# KiCad board plinkyblack.kicad_pcb (continued)
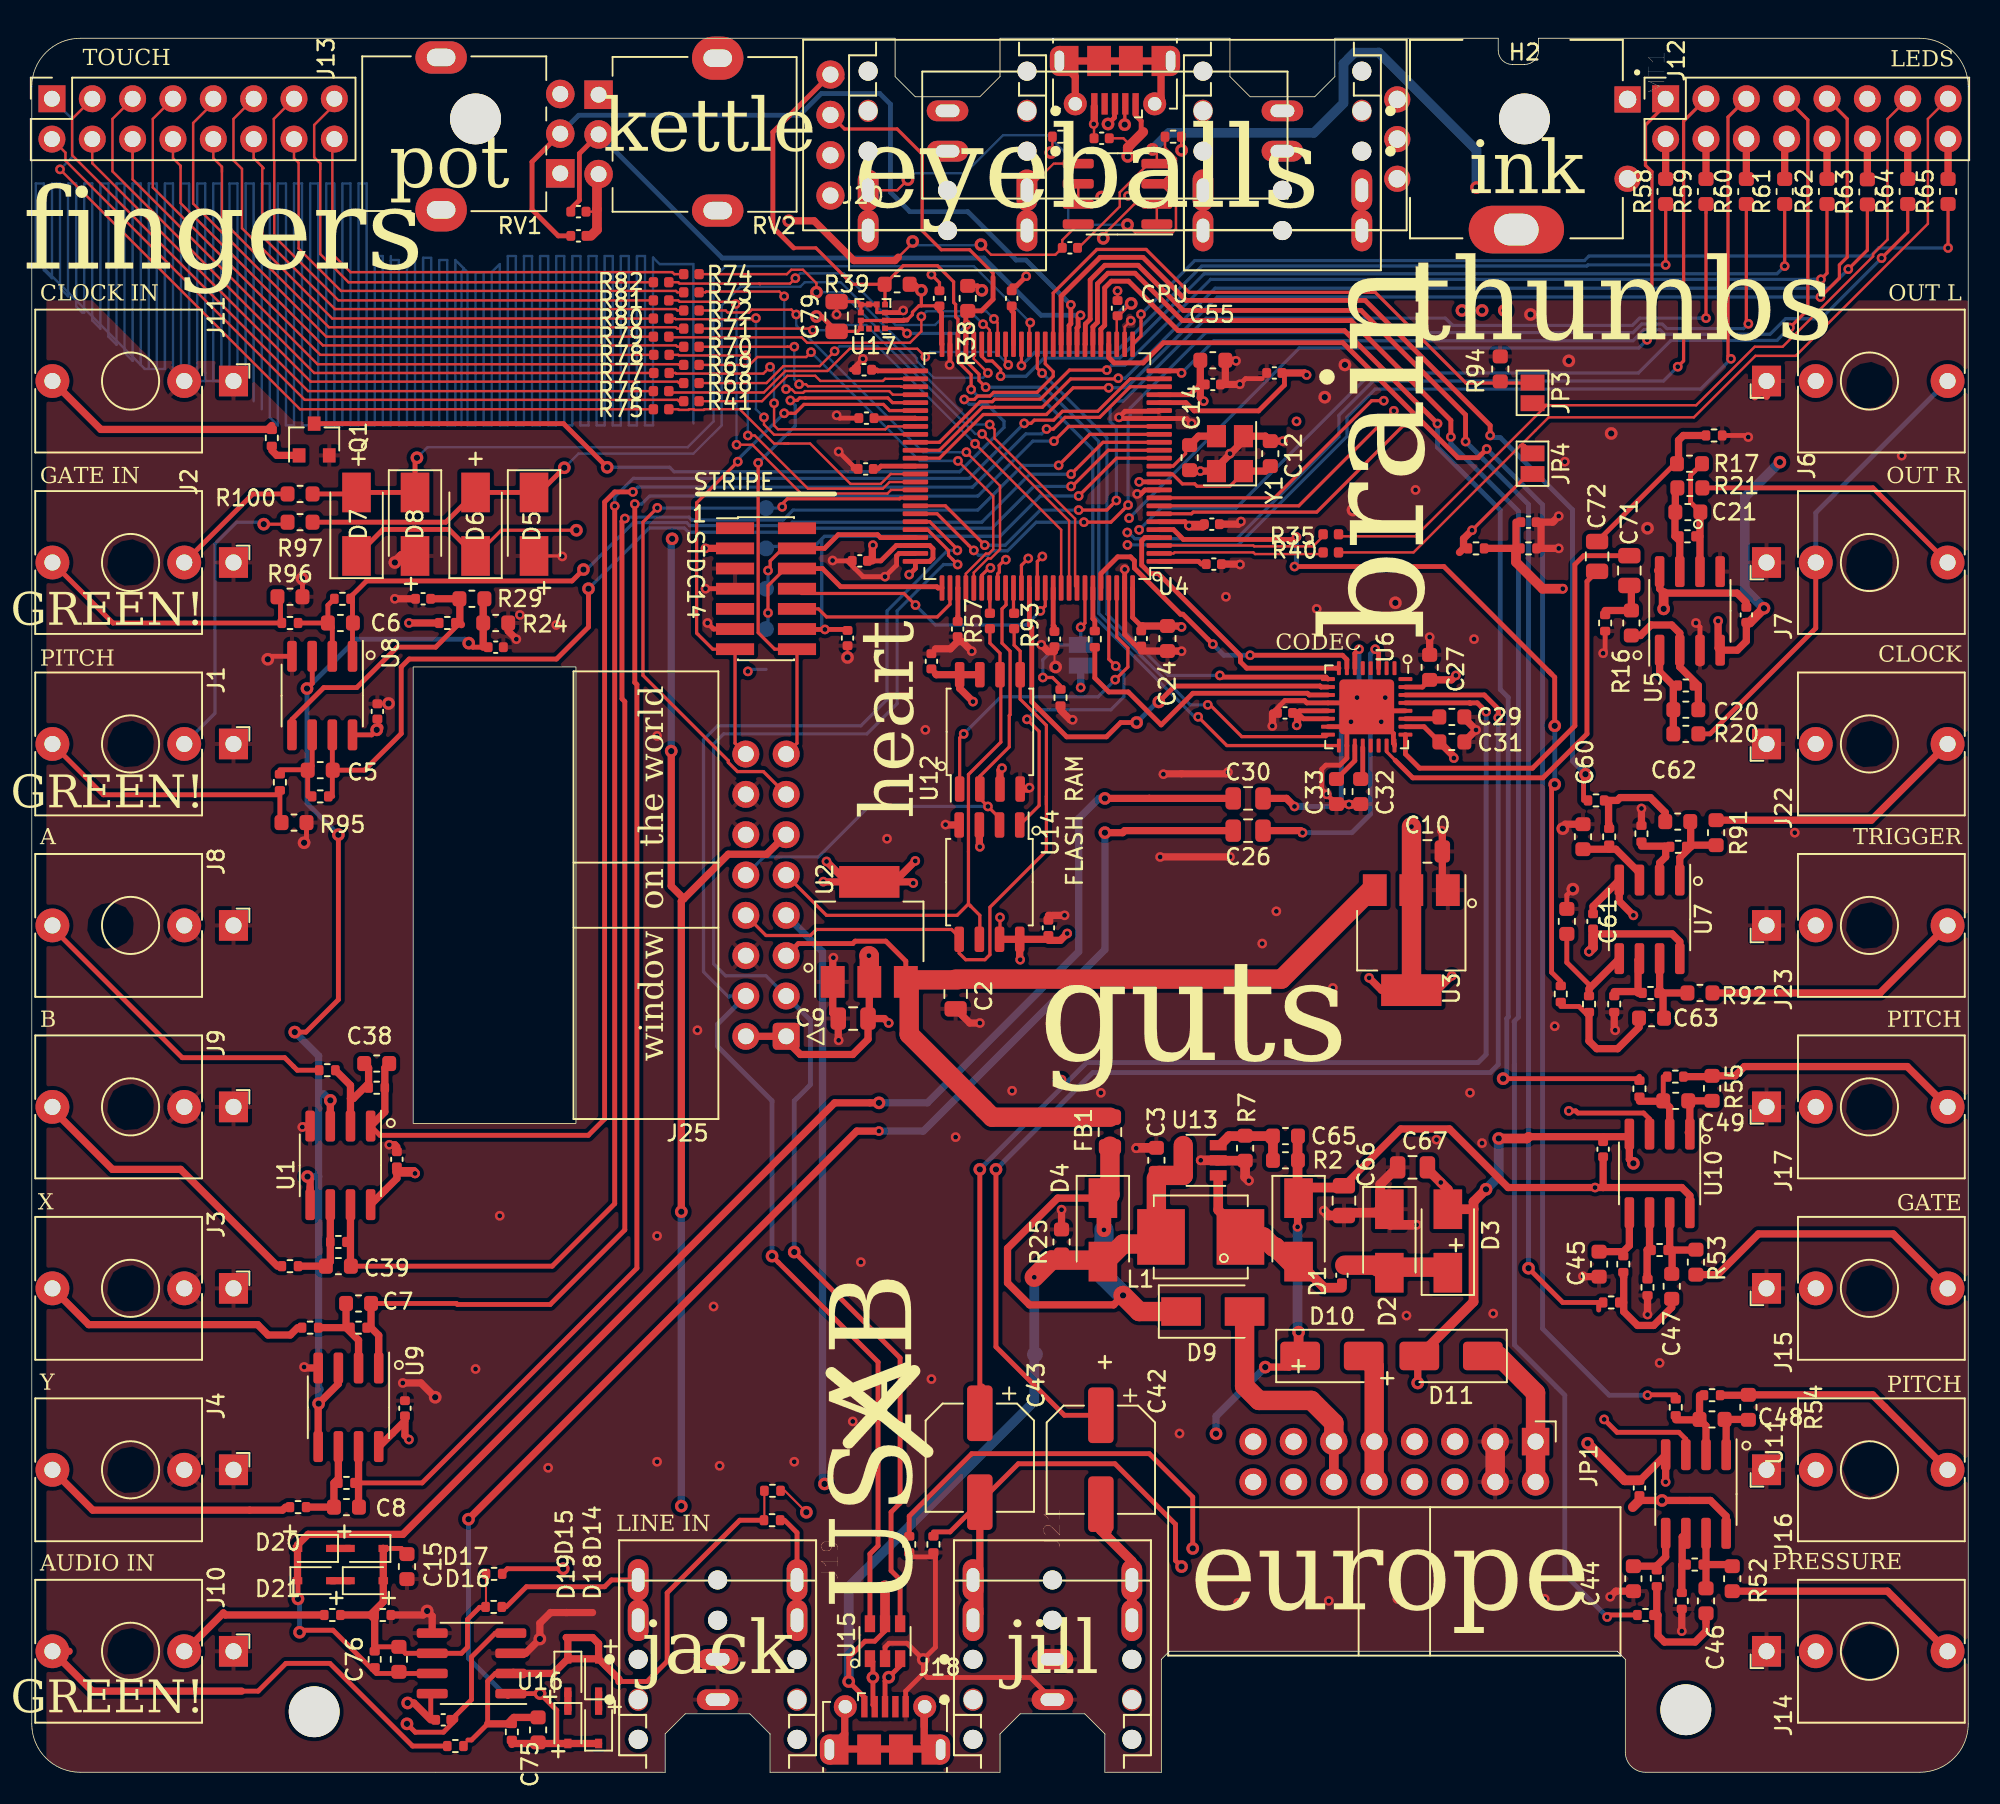
[diagram p0: board, top side]
## Routing (per net, layer and track width the routed paths; a pad name or vN(x,y) marks a point on that pad's centre or on a via; arc(x,y) is an arc through that point) (continued)
  Bottom w0.152: v1(45.09,84.2) 45.09,89.13 v1(44.96,89.26)
T13: length 23.9
  Top w0.152: v1(56.01,91.69) 56.01,90.75 55.29,90.04 48.82,90.04 48.47,90.38 40.15,90.38 R79.2 ; v1(60.58,91.54) 60.81,91.31 U4.43
  Bottom w0.152: v1(60.58,91.54) 60.1,92.02 56.33,92.02 v1(56.01,91.69)
T14: length 22.2
  Top w0.152: U4.59 47.65,84.27 47.63,84.25 46.73,84.25 46.1,84.89 v1(46.1,85.34) ; R80.2 40.5,91.57 40.54,91.53 45.53,91.53 v1(45.59,91.59)
  Bottom w0.152: v1(45.59,91.59) 45.59,85.85 v1(46.1,85.34)
T15: length 25.9
  Top w0.152: v1(44.37,83.62) 45.37,83.62 48.44,80.54 53.87,80.54 54.1,80.77 U4.66 ; R81.2 40.7,92.71 40.79,92.62 44.18,92.62 v1(44.32,92.48) 44.37,92.43 44.37,92.38 44.32,92.33
  Bottom w0.152: 44.32,92.33 44.37,92.28 v1(44.37,83.62)
T16: length 23.4
  Top w0.152: 45.81,93.77 47.74,93.77 v1(48.08,94.11) ; 45.81,93.77 40.79,93.77 40.7,93.85 R82.2 ; 45.81,93.77 45.85,93.73 ; U4.44 60.31,90.85 59.95,91.21 v1(59.89,91.21)
  Bottom w0.152: v1(48.08,94.11) 48.38,94.41 51.13,94.41 54.38,91.16 56.87,91.16 57.42,91.71 59.39,91.71 v1(59.89,91.21)
TS1: length 10.5
  Top w0.152: U4.2 71.88,76.77 71.95,76.84 76.91,76.84 77.02,76.73 81.43,76.73
TS1_: length 55.1
  Top w0.152: R40.1 87,76.84 95.5,85.34 104.65,85.34 108.52,89.22 111.06,89.22 119.38,97.54 119.38,104.14 J12.15
  Top w0.203: 94.49,83.06 93.98,83.57 93.73,83.57
TS2: length 10.6
  Top w0.152: 81.3,77.85 80.67,77.22 76.96,77.22 76.91,77.27 U4.3
TS2_: length 52.7
  Top w0.152: J12.13 116.84,104.14 116.84,96.54 115.93,95.63 115.93,95.48 110.24,89.79 108.48,89.79 104.79,86.11 95.38,86.11 87.12,77.85 82.27,77.85
  Top w0.203: 95.38,86.11 94.62,86.11 JP3.2
TX: length 33.9
  Top w0.203: 47.92,70.48 J5.14 ; J5.14 46.77,70.74 45.74,71.78 v1(45.74,82.47) ; J5.14 48.18,64.81 J25.15 ; U4.55 54.19,86.27 53.9,86.56 48.71,86.56 48.35,86.56 48.19,86.41 v1(47.76,86.41)
  Bottom w0.203: v1(47.76,86.41) 48.06,86.1 48.06,84.8 v1(45.74,82.47)
VREF: length 131.6
  Top w0.203: 94.74,81.52 93.97,81.52 v1(90.68,78.23)
  Top w0.305: 79.02,88.14 78.87,87.99 78.87,87.38 77.24,85.75 73.18,85.75 72.66,86.27 U4.21
  Top w0.457: v1(90.68,78.23) 90.14,77.7 90.14,77.09 89.89,76.84 ; v1(80.26,88.01) 80.14,88.14 79.02,88.14 ; v1(23.75,72.39) 25.37,72.39
  In1.Cu w0.457: v1(69.02,99.3) 69.02,99.25 v1(80.26,88.01)
  In2.Cu w0.457: v1(69.02,99.3) 64.94,103.38 56.01,103.38 53.66,105.73 52.25,105.73 52.19,105.66 RV2.1
  In2.Cu w0.61: v1(80.26,88.01) 81.41,88.01 90.68,78.74 v1(90.68,78.23) ; v1(23.75,72.39) 29.46,78.11 29.46,96.27 ; 29.46,96.27 29.47,96.26 ; 29.46,96.27 29.46,96.9 RV1.1 31.37,102.62 31.37,106.68 32.51,107.82 34.42,107.82 35.69,106.55 RV2.1
VREF1: length 80.2
  Top w0.203: 28.5,71.3 28.5,73.97
  Top w0.305: U8.3 17.66,70.29 17.66,68.59 v2(17.33,68.26) ; 28.42,70.87 27.76,70.87 v2(27.51,71.12) ; v2(19.3,59.06) 19.3,48.66 17.26,46.62 v2(16.56,46.62)
  Top w0.457: U9.5 18.03,23.19 v2(18.06,23.22) 19.3,24.46 U9.3 ; U1.3 v2(18.8,42.32) ; 17.53,36.83 U1.5 17.53,37.35 v2(17.36,37.52) ; 28.42,70.87 28.42,73.84 R29.1
  Bottom w0.305: v2(27.51,71.12) 27.26,71.37 20.44,71.37 v2(17.33,68.26) 17.33,61.03 v2(19.3,59.06)
  Bottom w0.457: 18.06,24.12 18.06,37.52 ; 18.06,24.12 18.16,24.12 ; 18.06,24.12 v2(18.06,23.22) ; 18.06,37.52 v2(17.36,37.52) ; 18.06,37.52 18.06,42.72 ; 18.06,42.72 18.06,45.12 v2(16.56,46.62) ; 18.06,42.72 18.4,42.72 v2(18.8,42.32)
VREF125: length 17.2
  Top w0.305: 16.38,65.34 16.38,66.32 18.38,68.32 20.46,68.32 23.01,70.87 25.43,70.87 26.95,72.39
  Top w0.457: 25.43,73.91 R29.2 26.95,73.89 26.95,72.39 27.05,72.29
VREF_125_OUT: length 75.1
  Top w0.305: v1(99,22.23) 99.81,21.41 103.7,21.41 104.14,20.98 U11.3 ; U10.3 101.85,41.15 101.48,41.52 97.34,41.52 97.21,41.66 v1(96.77,41.66)
  Top w0.457: 93.45,78.74 93.45,77.09 91.72,77.09
  Top w0.61: v1(96.39,74.55) 95.12,74.55 93.45,76.23 93.45,77.09
  In2.Cu w0.457: v1(99,22.23) 96.77,24.45 v1(96.77,41.66)
  In2.Cu w0.61: v1(96.39,74.55) 96.77,74.17 96.77,60.45 97.25,59.98 97.25,57.12 96.17,56.04 96.17,51.91 96.77,51.31 v1(96.77,41.66)
Net-(C20-Pad1): length 5.6
  Top w0.457: R20.2 103.35,68.45 102.49,69.32 U5.1
Net-(C21-Pad1): length 5.5
  Top w0.457: U5.7 103.76,77.55 103.45,77.85 103.45,79.35 C21.1 103.48,80.77 R21.2
Net-(C42-Pad2): length 198.8
  Top w0.305: 67.31,16.76 67.2,16.65 ; 55.24,15.14 55.24,16.13 59.18,20.07 70.36,20.07 73.09,17.33 v2(73.09,14.1) ; 67.63,14.92 67.84,15.14 ; J21.2 J21.2
  Top w0.61: C42.2 67.31,15.24 69.26,13.29 J21.2
  In2.Cu w0.305: J27.2 73.74,98.99 78.22,94.51 95.87,94.51 110.96,79.42 113.05,79.42 116.46,76.01 116.46,17.53 113.03,14.1 v2(73.09,14.1) 72.11,14.1 69.26,11.25 J21.2
Net-(C43-Pad2): length 184.4
  Top w0.305: C43.2 62.11,19.43 68.2,19.43 72.01,15.62 72.01,13.34 v2(72.39,12.95) ; C43.2 57.82,15.14 56.77,15.14 ; C43.2 59.69,15.26 ; J21.3 J21.3
  Top w0.457: J21.3 59.69,10 C43.2
  In1.Cu w0.61: J27.3 J27.3
  In2.Cu w0.305: v2(72.39,12.95) 113.03,12.95 117.09,17.02 117.09,76 113.18,79.92 111.11,79.92 95.91,95.12 88.27,95.12 J27.3
Net-(C46-Pad1): length 7.4
  Top w0.457: 102.31,11.43 102.31,9.98 102.39,9.91 102.39,8.61 102.79,8.2 104.72,8.2 105.41,8.89 C46.1
Net-(C46-Pad2): length 5.1
  Top w0.457: 105.49,13.08 105.41,13 C46.2 ; 105.49,13.08 106.96,13.08 R52.2 ; 105.49,13.08 105.41,13.16 U11.7
Net-(C47-Pad1): length 6.6
  Top w0.457: 100.2,31.22 100.23,31.19 100.23,29.02 101.1,28.14 102.11,28.14 103.25,29.28 C47.1
Net-(C47-Pad2): length 5.4
  Top w0.457: U10.7 103.12,33.05 103.28,32.89 ; R53.2 104.75,32.89 103.28,32.89 ; C47.2 103.28,31.42 103.28,32.89
Net-(C48-Pad1): length 3.8
  Top w0.457: R54.2 108.05,22.23 C48.1 106.68,22.12 U11.1
Net-(C49-Pad1): length 3.8
  Top w0.457: R55.2 C49.1 104.39,42.19 U10.1 104.29,40.3
Net-(C62-Pad1): length 6.1
  Top w0.457: C62.1 102.84,60.46 101.91,61.39 100,61.39 99.82,61.21 99.28,61.21 99.28,59.75 99.31,59.72
Net-(C62-Pad2): length 5.6
  Top w0.457: R91.2 104.55,58.39 104.45,58.29 ; 104.45,58.29 104.45,59.85 C62.2 ; 104.45,58.29 103.76,57.61 U7.1
Net-(C63-Pad1): length 8.1
  Top w0.305: 98.04,47.6 97.41,48.23 96.27,48.23
  Top w0.457: 98.04,47.6 98.04,46.06 98.53,45.58 99.85,45.58 101.19,46.92 C63.1
Net-(C63-Pad2): length 5.4
  Top w0.457: C63.2 102.71,47.56 102.71,49.09 ; 102.71,49.09 R92.2 ; 102.71,49.09 102.49,49.3 U7.7
Net-(C71-Pad1): length 3.3
  Top w0.457: 99.06,73.18 R16.2 100.71,74.63 C71.1
Net-(C72-Pad1): length 10.2
  Top w0.305: C72.1 103.46,82.42 103.58,82.42
  Top w0.457: 103.58,82.42 103.68,82.52 103.68,83.9 103.98,84.2 105.13,84.2
Net-(D1-A): length 11.5
  Top w0.61: 79.88,32 81.37,30.52 82.49,30.52 ; U13.1 74.7,35.41 76.14,33.97
  Top w1.219: L1.2 77.54,33.72 78.17,33.08 78.3,33.08 79.44,31.94
Net-(D2-A): length 7
  Top w0.61: 84.77,31.81 84.65,31.94
  Top w1.219: 84.77,31.81 88.84,31.81 89.22,31.43 ; 82.67,31.94 84.9,31.94
Net-(D4-K): length 32
  Top w0.457: D4.1 64.59,36.16 61.43,33 61.43,30.82 62.81,29.44 68.11,29.44 v2(68.71,30.04)
  Top w0.914: v1(67.5,34.16) 67.5,36.01
  Top w1.219: v2(68.71,30.04) 69.72,29.02 D9.1 ; 67.5,36.01 67.88,36.39 67.88,39.43
  Bottom w0.61: 69.03,30.04 v2(68.71,30.04)
  Bottom w1.219: v1(67.5,34.16) 67.5,31.24 v2(68.71,30.04)
Net-(D9-A): length 15
  Top w0.61: JP1.12 JP1.11
  Top w1.219: JP1.11 81.98,22 80.56,23.42 77.26,23.42 76.36,24.32 D9.2
Net-(D10-A): length 8.8
  Top w1.219: JP1.10 84.52,25.56 D10.2
  Bottom w0.61: 84.52,21.4 JP1.9
Net-(D11-K): length 9.9
  Top w1.219: D11.1 92.36,26.22 94.68,23.9 JP1.1 JP1.2
Net-(D14-A): length 39.4
  Top w0.13: R6.1 46.12,15.9 R37.1
  Top w0.305: 27.46,2.03 27.69,2.03 28.7,3.05 28.7,5.74 29.19,6.22 U16.2 30.31,6.38 ; 45.82,15.88 44.58,15.88 40,11.3 40,6.98 38.73,5.72 36.96,5.72
  Top w0.457: 36.96,5.72 36.96,5.87 D14.2 ; D15.1 33.75,8.39 33.66,8.48 35.31,8.48 35.69,8.1 D14.2 ; D15.1 32.83,6.22 U16.2 ; D15.1 D14.2 ; 28.7,3.05 29.95,3.05 30.35,3.45 C75.1
Net-(D14-K): length 1.1
  Top w0.457: D14.1 D18.2
Net-(D15-A): length 1.1
  Top w0.457: D15.2 D19.1
Net-(D16-A): length 21.4
  Top w0.13: R23.1 28.6,10.44 R56.1
  Top w0.305: 21.59,7.9 C76.1 23.52,7.49 U16.6 27.05,7.49 27.43,7.87 27.43,9.63 28.19,10.39 28.55,10.39 R56.1 ; C15.2 23.27,14.1 D17.1
  Top w0.457: 21.59,7.9 21.59,9.63 21.31,9.91 ; 21.31,9.91 22.13,10.73 D16.2 D17.1 22.1,14.1 ; 21.31,9.91 19.71,9.91
Net-(D16-K): length 1.2
  Top w0.457: D20.2 D16.1
Net-(D17-A): length 1.2
  Top w0.457: D21.1 D17.2
Net-(D18-K): length 95.8
  Top w0.305: 33.05,1.81 33.05,3.9 v2(32,4.95) U16.1 29.97,4.76
  Top w0.457: C26.2 68.81,59.31 68.68,59.18 v2(67.56,59.18) ; v2(27.5,15.94) 51.94,40.39 v1(53.34,40.39) ; D18.1 30.29,1.81 30.23,1.75
  Bottom w0.305: v2(32,4.95) 29.72,4.95 27.5,7.18 v2(27.5,15.94)
  Bottom w0.457: v1(53.34,40.39) 56.13,40.39 67.56,51.82 v2(67.56,59.18)
Net-(D20-K): length 99
  Top w0.305: D20.1 16.76,12.04 v2(16.76,10.92) ; v2(16.86,8.82) 16.99,8.95 18.97,8.95 21.69,6.22 U16.7 25.86,6.22
  Top w0.457: v2(67.56,61.34) 75.57,61.34 ; v2(53.34,42.16) 50.55,42.16 23.37,14.99 17.4,14.99 16.73,14.32 D21.2 D20.1
  Bottom w0.305: v2(16.76,10.92) 16.86,10.82 v2(16.86,8.82)
  Bottom w0.457: v2(67.56,61.34) 67.18,61.34 65.91,60.07 65.91,51.69 56.39,42.16 v2(53.34,42.16)
Net-(J1-PadT): length 17.4
  Top w0.305: R95.1 15.62,59.92 15.62,61.57 4.5,61.57 J1.T
Net-(J1-PadTN): length 18.6
  Top w0.203: R97.2 15.98,78.61 v2(14.6,78.61)
  Bottom w0.203: J1.TN 11.53,66.7 11.53,77.37 12.9,78.74 14.48,78.74 v2(14.6,78.61)
Net-(J2-PadT): length 17.7
  Top w0.305: J2.T 5.11,72.39 15.66,72.39 15.66,73.85 R96.1
Net-(J2-PadTN): length 8.3
  Top w0.305: J2.TN 13.92,80.52 R100.2
Net-(J3-PadT): length 16.8
  Top w0.457: J3.T 3.59,28.19 14.22,28.19 14.88,27.54 16.28,27.54 16.74,28
Net-(J4-PadT): length 15.8
  Top w0.457: 15.98,16.7 15.79,16.51 3.84,16.51 J4.T
Net-(J6-PadT): length 29.2
  Top w0.305: R20.1 105.66,65.41 112.32,72.06 J7.TN
  Bottom w0.305: J7.TN 112.32,79.33 J6.T
Net-(J7-PadT): length 17.4
  Top w0.305: R21.1 115.92,80.9 J7.T
Net-(J8-PadT): length 20.7
  Top w0.305: R26.2 16.71,44.22 15.93,45.01 9.47,45.01 1.3,53.18 J8.T
Net-(J9-PadT): length 18.4
  Top w0.457: J9.T 1.3,41.75 5.08,37.97 9.37,37.97 15.47,31.88
Net-(J10-PadT): length 29.6
  Top w0.305: 25.88,1.65 23.98,1.65 18.77,6.86 16,6.86 14.25,5.11 13.21,5.11
  Top w0.457: 13.21,5.11 3.81,5.11 J10.T 2.35,7.62
Net-(J10-PadTN): length 9.5
  Top w0.457: 9.65,7.62 12.06,10.03 12.19,9.91 18.14,9.91
Net-(J11-PadT): length 15.2
  Top w0.457: J11.T 4.35,84.58 14.86,84.58 15.11,84.84
Net-(J12-Pin_2): length 2.5
  Top w0.457: R58.2 J12.2
Net-(J12-Pin_4): length 2.5
  Top w0.457: R59.2 J12.4
Net-(J12-Pin_6): length 2.5
  Top w0.457: R60.2 J12.6
Net-(J12-Pin_8): length 2.6
  Top w0.457: J12.8 110.36,102.74 R61.2
Net-(J12-Pin_10): length 2.5
  Top w0.457: R62.2 J12.10
Net-(J12-Pin_12): length 2.5
  Top w0.457: R63.2 J12.12
Net-(J12-Pin_14): length 2.5
  Top w0.457: R64.2 J12.14
Net-(J12-Pin_16): length 2.5
  Top w0.457: R65.2 J12.16
Net-(J13-Pin_1): length 49.2
  Top w0.152: R75.1 16.89,85.85 v1(1.78,100.97) ; 1.27,105.16 J13.1
  Bottom w0.152: v1(1.78,100.97) 2.54,101.73 2.54,104.14 J13.1
Net-(J13-Pin_2): length 46.9
  Top w0.152: J13.2 2.12,102.02 2.12,101.51 17.19,86.45 40.66,86.45 40.75,86.36 R41.2
Net-(J13-Pin_3): length 46.8
  Top w0.152: R76.1 17.4,87 2.54,101.85 2.54,104.14 J13.3
Net-(J13-Pin_4): length 44.5
  Top w0.152: J13.4 3.81,101.35 17.57,87.59 40.66,87.59 40.75,87.5 R68.2
Net-(J13-Pin_5): length 44.4
  Top w0.152: R77.1 17.78,88.14 5.08,100.84 5.08,104.14 J13.5
Net-(J13-Pin_6): length 43.3
  Top w0.152: R69.2 40.75,88.65 40.71,88.69 17.99,88.69 6.35,100.33 J13.6 6.35,101.67
Net-(J13-Pin_7): length 42
  Top w0.152: J13.7 7.62,104.14 7.62,99.82 18.16,89.28 R78.1
Net-(J13-Pin_8): length 39.9
  Top w0.152: 22.06,89.88 18.33,89.88 9.37,98.84 9.37,101.19 ; 22.06,89.88 40.56,89.88 40.65,89.79 R70.2 ; 22.06,89.88 21.95,89.88 ; 9.37,101.19 9.37,101.06 ; 9.37,101.19 8.89,101.67 J13.8
Net-(J13-Pin_9): length 39.6
  Top w0.152: J13.9 11.43,105.16 10.16,103.89 10.16,98.81 18.54,90.42 R79.1
Net-(J13-Pin_10): length 37.6
  Top w0.152: J13.10 11.43,101.67 11.97,101.13 ; R71.2 40.65,90.93 40.56,91.02 18.71,91.02 11.97,97.76 11.97,101.13 ; 11.97,101.13 11.97,100.8
Net-(J13-Pin_11): length 37.2
  Top w0.152: R80.1 18.92,91.57 13.24,97.25 13.24,100.99 12.7,101.53 12.7,104.14 J13.11
Net-(J13-Pin_12): length 35
  Top w0.152: 14.51,101.13 14.51,96.74 19.09,92.16 40.56,92.16 40.65,92.08 R72.2 ; 14.51,101.13 14.6,101.03 ; 14.51,101.13 13.97,101.67 J13.12
Net-(J13-Pin_13): length 34.7
  Top w0.152: R81.1 19.3,92.71 15.27,96.75 15.27,101.5 15.24,101.53 15.24,104.14 J13.13
Net-(J13-Pin_14): length 32.4
  Top w0.152: J13.14 16.51,101.67 16.8,101.38 16.8,95.98 19.47,93.3 40.56,93.3 40.65,93.22 R73.2
Net-(J13-Pin_15): length 32.6
  Top w0.152: R82.1 19.94,93.85 18.16,95.63 18.16,101.35 ; 18.16,101.35 18.16,100.97 ; 18.16,101.35 17.78,101.73 17.78,103.76 19.05,105.03 J13.15
Net-(J13-Pin_16): length 29.9
  Top w0.152: R74.2 40.45,94.36 40.33,94.49 20.07,94.49 18.92,95.63 18.92,102.74 J13.16
Net-(J14-PadT): length 15.1
  Top w0.457: J14.T 116.84,11.4 R52.1
Net-(J15-PadT): length 18.3
  Top w0.457: R53.1 106.15,31.34 108.71,33.91 117.19,33.91 J15.T
Net-(J16-PadT): length 16
  Top w0.457: J16.T 115.9,23.77 R54.1 108.05,23.75 106.58,23.75
Net-(J17-PadT): length 17.7
  Top w0.457: J17.T 118.08,44.45 107.82,44.45 107.24,43.87 R55.1 105.74,43.81 104.27,43.81
Net-(J19-Pad2): length 6.6
  Top w0.305: 47.4,15.88 48.18,15.09 J19.2 J19.2
Net-(J19-Pad3): length 10.6
  Top w0.305: 29.87,10.41 31.14,11.68 36.07,11.68 36.5,12.11 J19.3
  In2.Cu w0.305: 38.18,11.18 J19.3
Net-(J22-PadT): length 16.6
  Top w0.457: J22.T 115.82,59.97 R91.1
Net-(J23-PadT): length 16.6
  Top w0.457: J23.T 116.37,49.09 R92.1
Net-(JP2-B): length 9.2
  Top w0.203: 64.77,68.45 64.27,68.96 v1(63.66,68.96) ; v1(66.04,72.12) 66.31,72.39 U4.94
  Bottom w0.203: v1(63.66,68.96) 63.66,70.07 64.59,71.01 JP2.2 66.04,72.39
Net-(JP3-A): length 38.2
  Top w0.203: U4.36 64.31,93.17 67.06,95.92 70.16,95.92 72.86,93.22 84.58,93.22 90.3,87.5 94.62,87.5
Net-(Q1-B): length 1.8
  Top w0.457: 15.11,83.26 15.43,82.95 Q1.1
Net-(U1A--): length 6.8
  Top w0.457: 20.07,42.44 20.07,43.27 R26.1 ; 20.07,42.44 U1.2 ; 20.07,42.44 20.26,42.44 21.21,43.39 21.21,44.36 C38.2
Net-(U1B--): length 6.3
  Top w0.457: 18.8,34.9 U1.6 18.8,32.16 C39.2 17.04,31.88
Net-(U4-PB4): length 2.9
  Top w0.305: C56.2 64.31,71.93 64.31,72.24 ; 64.31,72.24 U4.90 ; 64.31,72.24 64.39,72.16
Net-(U4-PB8): length 2.8
  Top w0.305: U4.95 66.81,72.66 66.93,72.54 R34.1
Net-(U4-PB12): length 2.5
  Top w0.305: U4.51 53.26,88.27 53.19,88.34
Net-(U4-PC6): length 2.4
  Top w0.305: U4.63 53.47,82.27 53.29,82.09
Net-(U4-PC10): length 1.8
  Top w0.305: 58.29,72.8 58.31,72.81 U4.78 58.29,74.58
Net-(U4-PD1): length 2.4
  Top w0.203: 60.31,73.7 U4.82 ; R57.2 60.32,74.55
Net-(U4-PD4): length 1.7
  Top w0.203: U4.85 61.81,72.94
Net-(U4-PD10): length 2.3
  Top w0.305: U4.57 55.61,85.29 53.34,85.29
Net-(U4-PE2): length 2.7
  Top w0.305: U4.1 73.46,76.27 73.63,76.1
Net-(U4-PE10): length 2.2
  Top w0.305: U4.41 61.81,91.94 61.7,92.05
Net-(U4-PH0): length 7.9
  Top w0.203: U4.12 71.82,81.77 72.44,81.15 73.22,81.15 73.37,81 75.43,81 76.29,81.86 Y1.1
  Top w0.457: C12.1 77.67,81.96 Y1.1
Net-(U4-PH1): length 4.5
  Top w0.203: C14.1 72.64,83.34 72.64,83.06 71.86,82.27 U4.13
  Top w0.457: Y1.3 73.46,84.16 C14.1
Net-(U5A--): length 8.8
  Top w0.457: C20.2 104.93,68.45 103.76,69.62 U5.2 103.76,71.75 103.25,72.26 101.95,72.26 101.29,71.6 R16.1
Net-(U5B--): length 7.4
  Top w0.305: R17.1 104.44,81.71 104.44,79.99 C21.2
  Top w0.457: C21.2 105.03,79.35 105.03,75.63 U5.6
Net-(U6-HP_COM): length 2.6
  Top w0.305: C33.1 83.3,63.72 U6.19
Net-(U6-LINE_COM): length 2
  Top w0.305: 83.8,64.54 83.8,62.69 C32.1
Net-(U6-VMID): length 2.2
  Top w0.305: U6.27 88.51,66.36 C29.1
Net-(U7A-+): length 4.6
  Top w0.457: 101.22,56.2 101.22,56.65 99.73,58.14 C60.2
Net-(U7A--): length 3.8
  Top w0.457: U7.2 102.49,57.28 102.87,57.66 102.87,58.29 102.83,58.33 101.35,58.33
Net-(U7B-+): length 7.1
  Top w0.305: 98.04,49.17 98.04,49.61 96.65,51.01 C61.2
  Top w0.457: U7.5 98.04,49.34 98.04,49.17
Net-(U7B--): length 3.7
  Top w0.457: 99.63,49.17 101.04,49.17 101.13,49.09 101.13,51.16 101.22,51.25
Net-(U8A--): length 5.5
  Top w0.305: 17.04,72.39 C6.2 ; C6.2 18.64,73.51 R10.2 ; C6.2 18.92,72.11 U8.2
Net-(U8B--): length 5.8
  Top w0.305: C5.2 17.65,63.4 U8.6 ; C5.2 17.35,63.14 15.62,63.14 ; C5.2 17.37,61.47
Net-(U9A--): length 5.9
  Top w0.457: U9.2 20.57,27.22 19.79,28 ; 18.31,28 19.79,28 ; 19.79,28 C7.2
Net-(U9B--): length 5.4
  Top w0.457: U9.6 19.3,18.5 19.02,18.22 C8.2 17.55,16.7
Net-(U10A--): length 5.3
  Top w0.305: C49.2 102.72,43.81
  Top w0.457: 101.22,42.27 102.69,42.27 C49.2 103.12,41.88 U10.2
Net-(U10B-+): length 4.1
  Top w0.457: C45.2 100.2,32.79 100.58,33.17 U10.5
Net-(U10B--): length 4
  Top w0.457: U10.6 101.85,33.05 101.7,32.89 101.7,31.36 101.73,31.33
Net-(U11A--): length 5.4
  Top w0.457: 105,23.75 C48.2 ; C48.2 105.41,21.82 U11.2 ; C48.2 104.98,22.2 103.51,22.2
Net-(U11B-+): length 3.8
  Top w0.457: C44.2 102.29,12.98 102.87,13.56 U11.5
Net-(U11B--): length 3.6
  Top w0.457: U11.6 103.91,14.82 103.91,13.08 103.89,13.06 103.89,11.58
Net-(U13-FB): length 4.8
  Top w0.61: 74.87,39.56 75.38,40.07 77.79,40.07 78.14,39.71 R2.2
Net-(U18A-+): length 33
  Top w0.152: v2(68.99,97.48) 69.48,96.99 71.82,96.99 72.04,97.21 72.04,99.09 71.08,100.06 ; 70.84,100.06 71.08,100.06 ; 71.08,100.06 72.04,101.02 72.04,101.63 71.35,102.32 R103.1 ; v2(55.16,100.32) 54.49,99.65 J26.2
  Bottom w0.152: v2(55.16,100.32) 55.56,100.72 58.76,100.72 61.16,103.12 63.95,103.12 65.26,101.81 65.26,97.72 65.5,97.48 v2(68.99,97.48)
Net-(U18B-+): length 5.9
  Top w0.13: 64.46,101.33 64.34,101.33 J26.3
  Top w0.152: R104.1 65.28,101.93 U18.5 64.46,101.33
unconnected-(J18-Shield-Pad6): length 13.6
  Top w0.457: 56.19,2.85 56.19,4.13 56.19,1.83 56.59,1.43 ; 51.19,4.13 51.19,2.43 50.19,1.43 50.22,1.46 56.12,1.46 56.39,1.73
unconnected-(J24-Shield-Pad6): length 11.8
  Top w0.457: 65.3,107.79 J24.6 71.1,105.49 J24.6 ; J24.6 65.7,106.79 J24.6

## Copper pours and planes (outline as drawn; the poured copper is in the pictures)
+3V3 on In2.Cu: 35.69,100.46 80.96,100.33 80.84,60.96 65.15,60.96 65.15,44.7 53.85,44.7 35.56,44.96
GND on Top: 0.92,92.71 125.38,92.71 125.38,-17.78 0.92,-17.78
GND on Bottom: -1.27,110.49 123.19,110.49 123.19,0 -1.27,0
GND on In1.Cu: -1.27,110.49 123.19,110.49 123.19,0 -1.27,0

## Text on the board
B.Silkscreen: thanks to / @lpzw_modules / @thonk_synth / @rocket_not / @scolar / @ebrombaugh / @mksoundmachines / @mylarmelodies / @jjbbllkk / @hainbach101 / @divkid / @cheevil / @mediamolecule / & isla & ziggy / - @mmalex, january 2021 | CIPO | COPI | GND | RX | DM | RED STRIPE | LINE IN | 3v3 | SCL | SDA | DP | TX | 5v | DBG | CLK | -12v | +12v | USB | BOOT0 (FLASH) | PHONES | plinkysynth.com | EURORACK POWER | don't plug power here. / it's an expansion port. | +5v
User.Eco1: +
F.Silkscreen: + | 1 | STRIPE | CPU | FLASH RAM | STDC14 | X | CLOCK IN | GATE IN | PITCH | A | B | Y | AUDIO IN | LEDS | TOUCH | LINE IN | CODEC | PRESSURE | OUT L | OUT R | CLOCK | TRIGGER | GATE | window  on  the world | GREEN! | pot | kettle | jack | jill | ink | heart | fingers | eyeballs | europe | thumbs | USAB | guts | brain
